# KiCad board SparkFun_GNSS_DAN-F10N_panelized.kicad_pcb (continued)
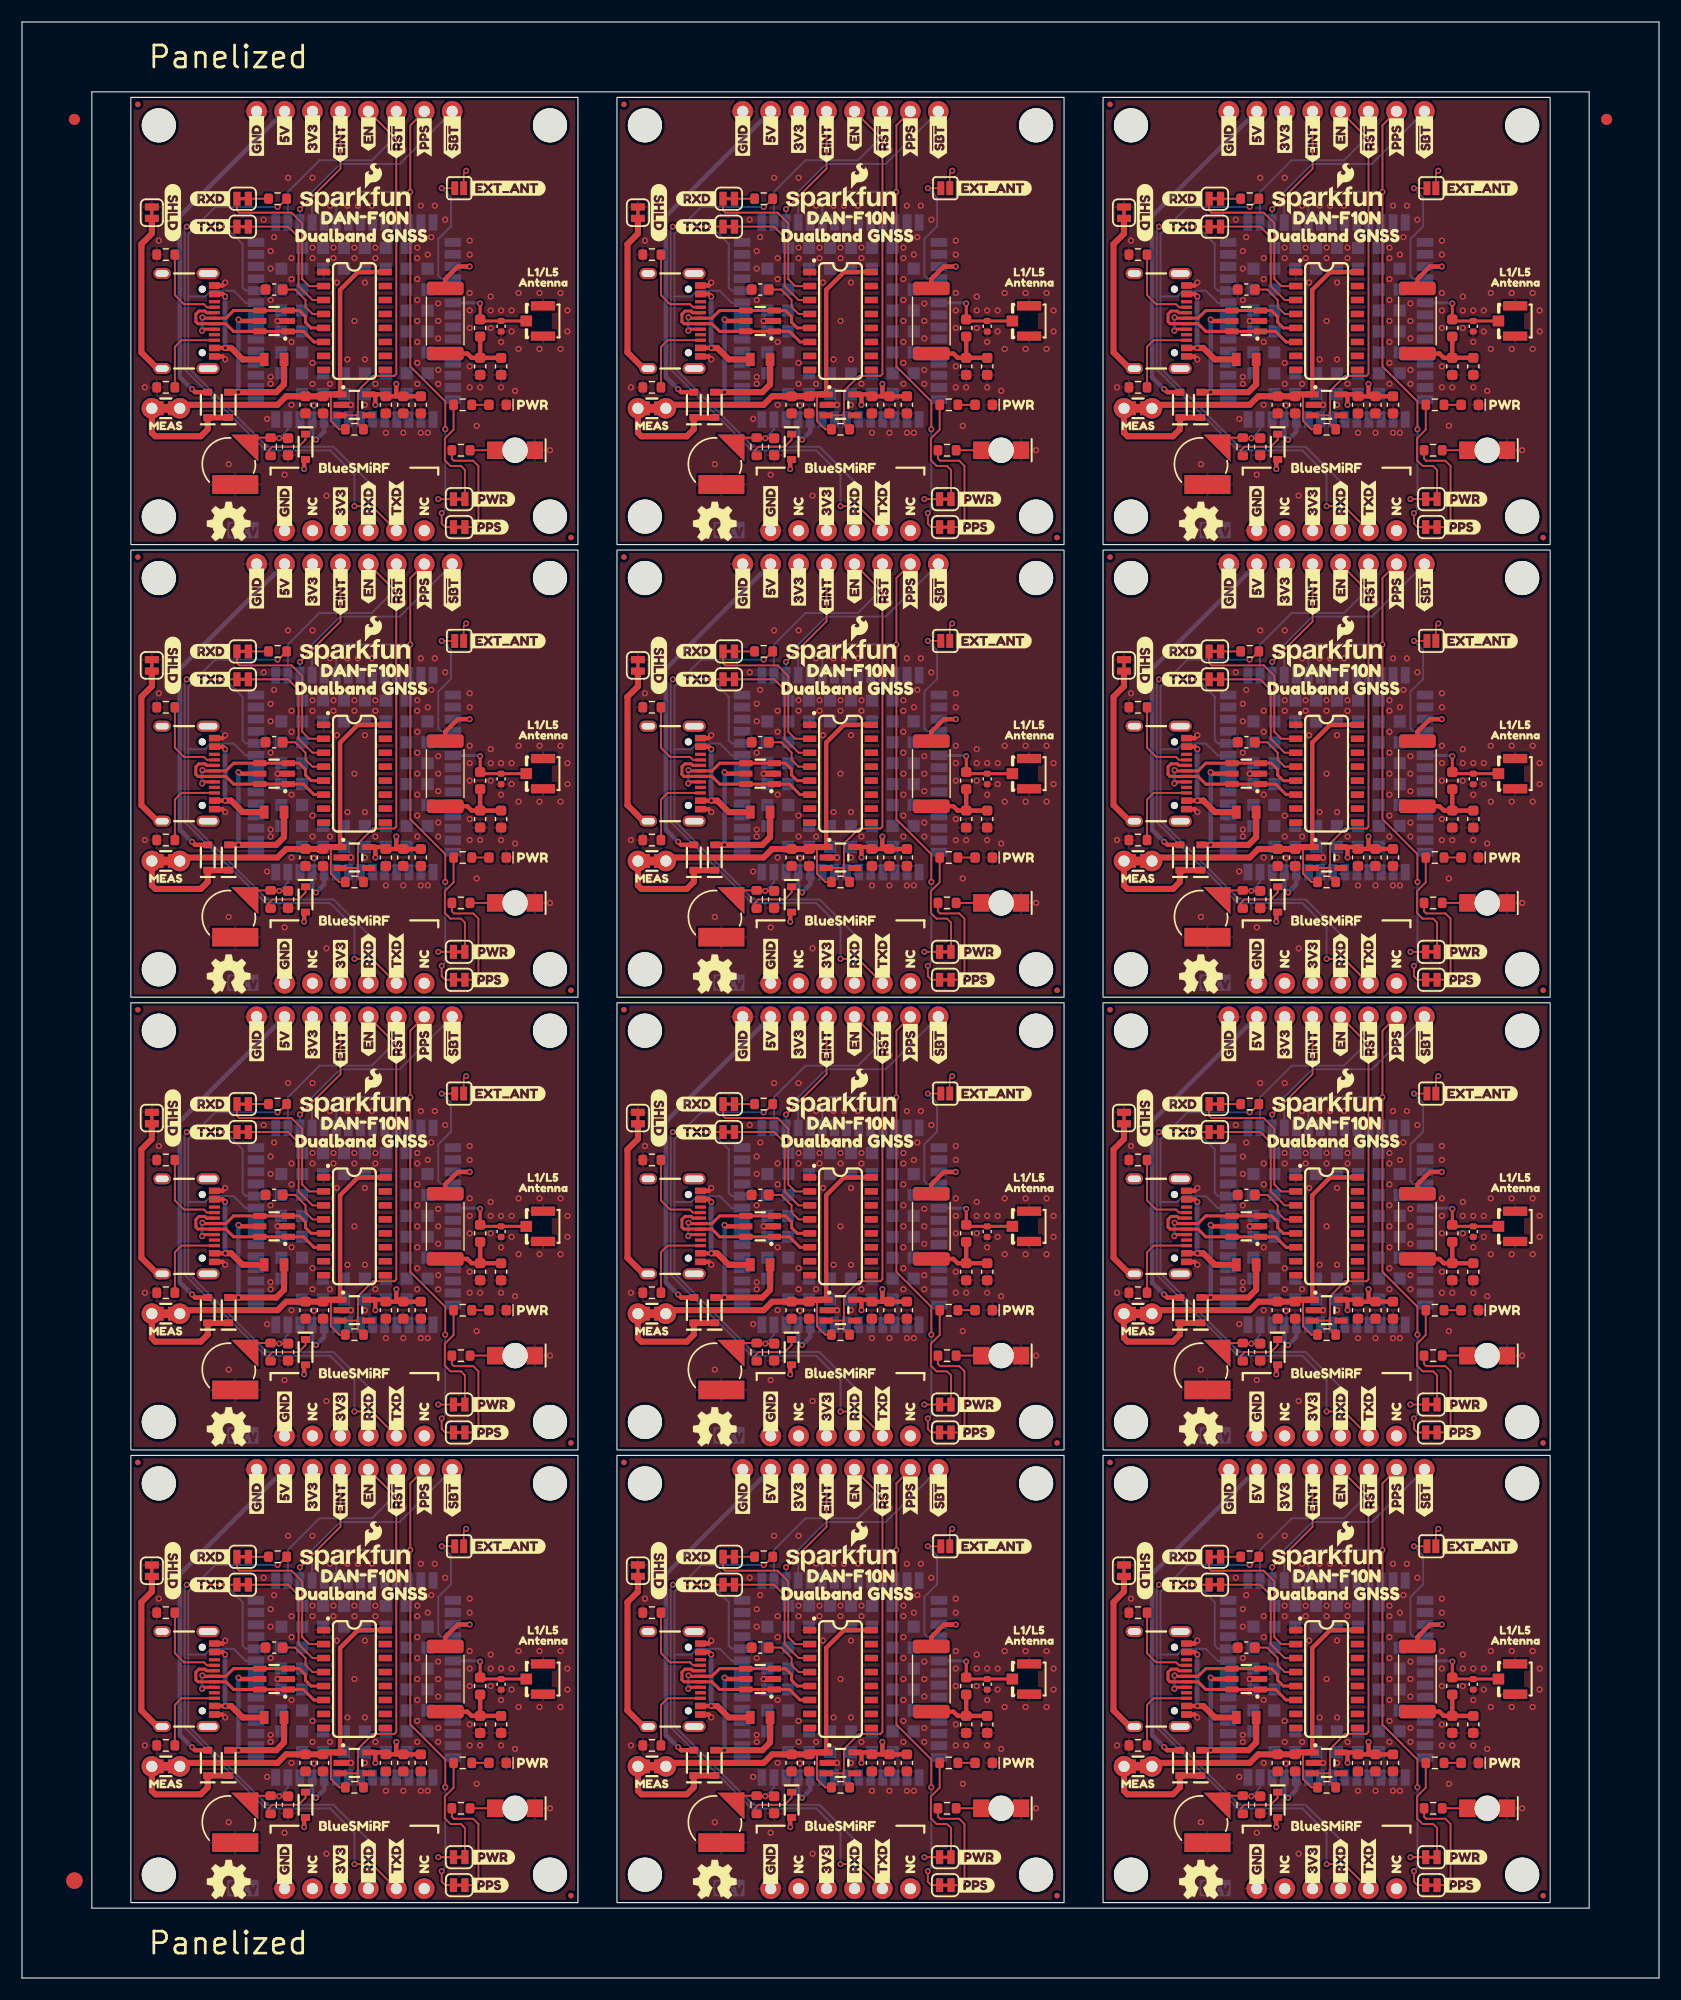
[diagram p0: board, top side]
## Placement (name value [footprint] x y rotation side) (continued)
kibuzzard-67C52734#4  G***  [kibuzzard-67C52734]  21.33 126.28 270 bottom
kibuzzard-67C52734#5  G***  [kibuzzard-67C52734]  65.52 85.14 270 bottom
kibuzzard-67C52734#6  G***  [kibuzzard-67C52734]  65.52 126.28 270 bottom
kibuzzard-67C52734#7  G***  [kibuzzard-67C52734]  109.7 85.14 270 bottom
kibuzzard-67C52734#8  G***  [kibuzzard-67C52734]  109.7 167.42 270 bottom
kibuzzard-67C52734#9  G***  [kibuzzard-67C52734]  65.52 167.42 270 bottom
kibuzzard-67C52734#10  G***  [kibuzzard-67C52734]  109.7 44 270 bottom
kibuzzard-67C52734#11  G***  [kibuzzard-67C52734]  109.7 126.28 270 bottom
kibuzzard-67C52734#12  G***  [kibuzzard-67C52734]  21.33 44 270 bottom
kibuzzard-67C52738  G***  [kibuzzard-67C52738]  23.87 167.89 270 bottom
kibuzzard-67C52738#2  G***  [kibuzzard-67C52738]  112.24 126.75 270 bottom
kibuzzard-67C52738#3  G***  [kibuzzard-67C52738]  112.24 85.61 270 bottom
kibuzzard-67C52738#4  G***  [kibuzzard-67C52738]  23.87 85.61 270 bottom
kibuzzard-67C52738#5  G***  [kibuzzard-67C52738]  68.06 126.75 270 bottom
kibuzzard-67C52738#6  G***  [kibuzzard-67C52738]  112.24 44.47 270 bottom
kibuzzard-67C52738#7  G***  [kibuzzard-67C52738]  68.06 85.61 270 bottom
kibuzzard-67C52738#8  G***  [kibuzzard-67C52738]  68.06 167.89 270 bottom
kibuzzard-67C52738#9  G***  [kibuzzard-67C52738]  23.87 126.75 270 bottom
kibuzzard-67C52738#10  G***  [kibuzzard-67C52738]  68.06 44.47 270 bottom
kibuzzard-67C52738#11  G***  [kibuzzard-67C52738]  112.24 167.89 270 bottom
kibuzzard-67C52738#12  G***  [kibuzzard-67C52738]  23.87 44.47 270 bottom
kibuzzard-67C52789  G***  [kibuzzard-67C52789]  36.57 44 270 bottom
kibuzzard-67C52789#2  G***  [kibuzzard-67C52789]  124.94 85.14 270 bottom
kibuzzard-67C52789#3  G***  [kibuzzard-67C52789]  124.94 44 270 bottom
kibuzzard-67C52789#4  G***  [kibuzzard-67C52789]  36.57 167.42 270 bottom
kibuzzard-67C52789#5  G***  [kibuzzard-67C52789]  36.57 126.28 270 bottom
kibuzzard-67C52789#6  G***  [kibuzzard-67C52789]  80.76 44 270 bottom
kibuzzard-67C52789#7  G***  [kibuzzard-67C52789]  36.57 85.14 270 bottom
kibuzzard-67C52789#8  G***  [kibuzzard-67C52789]  80.76 85.14 270 bottom
kibuzzard-67C52789#9  G***  [kibuzzard-67C52789]  80.76 126.28 270 bottom
kibuzzard-67C52789#10  G***  [kibuzzard-67C52789]  80.76 167.42 270 bottom
kibuzzard-67C52789#11  G***  [kibuzzard-67C52789]  124.94 167.42 270 bottom
kibuzzard-67C52789#12  G***  [kibuzzard-67C52789]  124.94 126.28 270 bottom
kibuzzard-67D33FB6  G***  [kibuzzard-67D33FB6]  26.41 133.76 90 top
kibuzzard-67D33FB6#2  G***  [kibuzzard-67D33FB6]  26.41 51.48 90 top
kibuzzard-67D33FB6#3  G***  [kibuzzard-67D33FB6]  26.41 92.62 90 top
kibuzzard-67D33FB6#4  G***  [kibuzzard-67D33FB6]  70.6 133.76 90 top
kibuzzard-67D33FB6#5  G***  [kibuzzard-67D33FB6]  114.78 51.48 90 top
kibuzzard-67D33FB6#6  G***  [kibuzzard-67D33FB6]  70.6 10.34 90 top
kibuzzard-67D33FB6#7  G***  [kibuzzard-67D33FB6]  114.78 10.34 90 top
kibuzzard-67D33FB6#8  G***  [kibuzzard-67D33FB6]  70.6 92.62 90 top
kibuzzard-67D33FB6#9  G***  [kibuzzard-67D33FB6]  114.78 133.76 90 top
kibuzzard-67D33FB6#10  G***  [kibuzzard-67D33FB6]  70.6 51.48 90 top
kibuzzard-67D33FB6#11  G***  [kibuzzard-67D33FB6]  114.78 92.62 90 top
kibuzzard-67D33FB6#12  G***  [kibuzzard-67D33FB6]  26.41 10.34 90 top
kibuzzard-67D33FB6#13  G***  [kibuzzard-67D33FB6]  36.57 10.34 90 top
kibuzzard-67D33FB6#14  G***  [kibuzzard-67D33FB6]  36.57 133.76 90 top
kibuzzard-67D33FB6#15  G***  [kibuzzard-67D33FB6]  80.76 92.62 90 top
kibuzzard-67D33FB6#16  G***  [kibuzzard-67D33FB6]  124.94 10.34 90 top
kibuzzard-67D33FB6#17  G***  [kibuzzard-67D33FB6]  36.57 92.62 90 top
kibuzzard-67D33FB6#18  G***  [kibuzzard-67D33FB6]  80.76 51.48 90 top
kibuzzard-67D33FB6#19  G***  [kibuzzard-67D33FB6]  36.57 51.48 90 top
kibuzzard-67D33FB6#20  G***  [kibuzzard-67D33FB6]  80.76 10.34 90 top
kibuzzard-67D33FB6#21  G***  [kibuzzard-67D33FB6]  80.76 133.76 90 top
kibuzzard-67D33FB6#22  G***  [kibuzzard-67D33FB6]  124.94 51.48 90 top
kibuzzard-67D33FB6#23  G***  [kibuzzard-67D33FB6]  124.94 92.62 90 top
kibuzzard-67D33FB6#24  G***  [kibuzzard-67D33FB6]  124.94 133.76 90 top
kibuzzard-67D358AB  G***  [kibuzzard-67D358AB]  112.24 10.18 270 bottom
kibuzzard-67D358AB#2  G***  [kibuzzard-67D358AB]  23.87 92.46 270 bottom
kibuzzard-67D358AB#3  G***  [kibuzzard-67D358AB]  23.87 51.32 270 bottom
kibuzzard-67D358AB#4  G***  [kibuzzard-67D358AB]  23.87 133.6 270 bottom
kibuzzard-67D358AB#5  G***  [kibuzzard-67D358AB]  68.06 10.18 270 bottom
kibuzzard-67D358AB#6  G***  [kibuzzard-67D358AB]  68.06 92.46 270 bottom
kibuzzard-67D358AB#7  G***  [kibuzzard-67D358AB]  68.06 51.32 270 bottom
kibuzzard-67D358AB#8  G***  [kibuzzard-67D358AB]  68.06 133.6 270 bottom
kibuzzard-67D358AB#9  G***  [kibuzzard-67D358AB]  112.24 92.46 270 bottom
kibuzzard-67D358AB#10  G***  [kibuzzard-67D358AB]  112.24 133.6 270 bottom
kibuzzard-67D358AB#11  G***  [kibuzzard-67D358AB]  112.24 51.32 270 bottom
kibuzzard-67D358AB#12  G***  [kibuzzard-67D358AB]  23.87 10.18 270 bottom
kibuzzard-67D3586F  G***  [kibuzzard-67D3586F]  34.03 10.03 270 bottom
kibuzzard-67D3586F#2  G***  [kibuzzard-67D3586F]  78.22 10.03 270 bottom
kibuzzard-67D3586F#3  G***  [kibuzzard-67D3586F]  78.22 92.31 270 bottom
kibuzzard-67D3586F#4  G***  [kibuzzard-67D3586F]  34.03 51.17 270 bottom
kibuzzard-67D3586F#5  G***  [kibuzzard-67D3586F]  34.03 92.31 270 bottom
kibuzzard-67D3586F#6  G***  [kibuzzard-67D3586F]  34.03 133.44 270 bottom
kibuzzard-67D3586F#7  G***  [kibuzzard-67D3586F]  78.22 51.17 270 bottom
kibuzzard-67D3586F#8  G***  [kibuzzard-67D3586F]  122.4 51.17 270 bottom
kibuzzard-67D3586F#9  G***  [kibuzzard-67D3586F]  122.4 10.03 270 bottom
kibuzzard-67D3586F#10  G***  [kibuzzard-67D3586F]  78.22 133.44 270 bottom
kibuzzard-67D3586F#11  G***  [kibuzzard-67D3586F]  122.4 92.31 270 bottom
kibuzzard-67D3586F#12  G***  [kibuzzard-67D3586F]  122.4 133.44 270 bottom
kibuzzard-67D3589A  G***  [kibuzzard-67D3589A]  73.14 133.6 270 bottom
kibuzzard-67D3589A#2  G***  [kibuzzard-67D3589A]  117.32 51.32 270 bottom
kibuzzard-67D3589A#3  G***  [kibuzzard-67D3589A]  28.95 51.32 270 bottom
kibuzzard-67D3589A#4  G***  [kibuzzard-67D3589A]  117.32 133.6 270 bottom
kibuzzard-67D3589A#5  G***  [kibuzzard-67D3589A]  28.95 133.6 270 bottom
kibuzzard-67D3589A#6  G***  [kibuzzard-67D3589A]  73.14 10.18 270 bottom
kibuzzard-67D3589A#7  G***  [kibuzzard-67D3589A]  28.95 92.46 270 bottom
kibuzzard-67D3589A#8  G***  [kibuzzard-67D3589A]  73.14 51.32 270 bottom
kibuzzard-67D3589A#9  G***  [kibuzzard-67D3589A]  73.14 92.46 270 bottom
kibuzzard-67D3589A#10  G***  [kibuzzard-67D3589A]  117.32 10.18 270 bottom
kibuzzard-67D3589A#11  G***  [kibuzzard-67D3589A]  117.32 92.46 270 bottom
kibuzzard-67D3589A#12  G***  [kibuzzard-67D3589A]  28.95 10.18 270 bottom
kibuzzard-67D35894  G***  [kibuzzard-67D35894]  31.49 133.44 270 bottom
kibuzzard-67D35894#2  G***  [kibuzzard-67D35894]  75.68 10.03 270 bottom
kibuzzard-67D35894#3  G***  [kibuzzard-67D35894]  31.49 51.17 270 bottom
kibuzzard-67D35894#4  G***  [kibuzzard-67D35894]  31.49 92.31 270 bottom
kibuzzard-67D35894#5  G***  [kibuzzard-67D35894]  119.86 92.31 270 bottom
kibuzzard-67D35894#6  G***  [kibuzzard-67D35894]  119.86 10.03 270 bottom
kibuzzard-67D35894#7  G***  [kibuzzard-67D35894]  119.86 133.44 270 bottom
kibuzzard-67D35894#8  G***  [kibuzzard-67D35894]  75.68 51.17 270 bottom
kibuzzard-67D35894#9  G***  [kibuzzard-67D35894]  75.68 92.31 270 bottom
kibuzzard-67D35894#10  G***  [kibuzzard-67D35894]  75.68 133.44 270 bottom
kibuzzard-67D35894#11  G***  [kibuzzard-67D35894]  119.86 51.17 270 bottom
kibuzzard-67D35894#12  G***  [kibuzzard-67D35894]  31.49 10.03 270 bottom
kibuzzard-67EB0CBA  G***  [kibuzzard-67EB0CBA]  44.19 121.52 0 top
kibuzzard-67EB0CBA#2  G***  [kibuzzard-67EB0CBA]  44.19 39.23 0 top
kibuzzard-67EB0CBA#3  G***  [kibuzzard-67EB0CBA]  44.19 80.38 0 top
kibuzzard-67EB0CBA#4  G***  [kibuzzard-67EB0CBA]  132.56 39.23 0 top
kibuzzard-67EB0CBA#5  G***  [kibuzzard-67EB0CBA]  132.56 121.52 0 top
kibuzzard-67EB0CBA#6  G***  [kibuzzard-67EB0CBA]  88.38 39.23 0 top
kibuzzard-67EB0CBA#7  G***  [kibuzzard-67EB0CBA]  44.19 162.66 0 top
kibuzzard-67EB0CBA#8  G***  [kibuzzard-67EB0CBA]  88.38 80.38 0 top
kibuzzard-67EB0CBA#9  G***  [kibuzzard-67EB0CBA]  88.38 162.66 0 top
kibuzzard-67EB0CBA#10  G***  [kibuzzard-67EB0CBA]  88.38 121.52 0 top
kibuzzard-67EB0CBA#11  G***  [kibuzzard-67EB0CBA]  132.56 80.38 0 top
kibuzzard-67EB0CBA#12  G***  [kibuzzard-67EB0CBA]  132.56 162.66 0 top
kibuzzard-6501FDDA  G***  [kibuzzard-6501FDDA]  30.22 13.84 0 top
kibuzzard-6501FDDA#2  G***  [kibuzzard-6501FDDA]  30.22 54.98 0 top
kibuzzard-6501FDDA#3  G***  [kibuzzard-6501FDDA]  30.22 137.25 0 top
kibuzzard-6501FDDA#4  G***  [kibuzzard-6501FDDA]  30.22 96.12 0 top
kibuzzard-6501FDDA#5  G***  [kibuzzard-6501FDDA]  74.41 13.84 0 top
kibuzzard-6501FDDA#6  G***  [kibuzzard-6501FDDA]  74.41 137.25 0 top
kibuzzard-6501FDDA#7  G***  [kibuzzard-6501FDDA]  118.59 137.25 0 top
kibuzzard-6501FDDA#8  G***  [kibuzzard-6501FDDA]  74.41 96.12 0 top
kibuzzard-6501FDDA#9  G***  [kibuzzard-6501FDDA]  118.59 54.98 0 top
kibuzzard-6501FDDA#10  G***  [kibuzzard-6501FDDA]  74.41 54.98 0 top
kibuzzard-6501FDDA#11  G***  [kibuzzard-6501FDDA]  118.59 13.84 0 top
kibuzzard-6501FDDA#12  G***  [kibuzzard-6501FDDA]  118.59 96.12 0 top
L1  33nH  [C_0603_1608Metric]  41.65 26.53 90 top
L1#2  33nH  [C_0603_1608Metric]  41.65 67.68 90 top
L1#3  33nH  [C_0603_1608Metric]  85.84 67.68 90 top
L1#4  33nH  [C_0603_1608Metric]  41.65 108.81 90 top
L1#5  33nH  [C_0603_1608Metric]  41.65 149.96 90 top
L1#6  33nH  [C_0603_1608Metric]  85.84 26.53 90 top
L1#7  33nH  [C_0603_1608Metric]  130.02 26.53 90 top
L1#8  33nH  [C_0603_1608Metric]  85.84 149.96 90 top
L1#9  33nH  [C_0603_1608Metric]  130.02 108.81 90 top
L1#10  33nH  [C_0603_1608Metric]  130.02 149.96 90 top
L1#11  33nH  [C_0603_1608Metric]  85.84 108.81 90 top
L1#12  33nH  [C_0603_1608Metric]  130.02 67.68 90 top
NOREF  -  [Fiducial_1.5mm_Mask3mm]  4.76 8.85 0 top
NOREF#2  -  [Fiducial_1mm_Mask3mm]  144.05 168.91 0 top
NOREF#3  -  [Fiducial_1mm_Mask3mm]  4.76 168.91 0 top
NOREF#4  -  [Fiducial_1.5mm_Mask3mm]  4.76 8.85 180 bottom
NOREF#5  -  [Fiducial_1mm_Mask3mm]  4.76 168.91 180 bottom
NOREF#6  -  [Fiducial_1mm_Mask3mm]  144.05 168.91 180 bottom
R1  5.1k  [R_0603_1608Metric]  13.07 21.14 0 top
R1#2  5.1k  [R_0603_1608Metric]  13.07 62.28 0 top
R1#3  5.1k  [R_0603_1608Metric]  13.07 144.56 0 top
R1#4  5.1k  [R_0603_1608Metric]  57.26 103.42 0 top
R1#5  5.1k  [R_0603_1608Metric]  13.07 103.42 0 top
R1#6  5.1k  [R_0603_1608Metric]  57.26 21.14 0 top
R1#7  5.1k  [R_0603_1608Metric]  57.26 62.28 0 top
R1#8  5.1k  [R_0603_1608Metric]  57.26 144.56 0 top
R1#9  5.1k  [R_0603_1608Metric]  101.45 21.14 0 top
R1#10  5.1k  [R_0603_1608Metric]  101.45 62.28 0 top
R1#11  5.1k  [R_0603_1608Metric]  101.45 103.42 0 top
R1#12  5.1k  [R_0603_1608Metric]  101.45 144.56 0 top
R2  5.1k  [R_0603_1608Metric]  13.07 74.34 0 top
R2#2  5.1k  [R_0603_1608Metric]  57.26 115.48 0 top
R2#3  5.1k  [R_0603_1608Metric]  101.45 115.48 0 top
R2#4  5.1k  [R_0603_1608Metric]  13.07 115.48 0 top
R2#5  5.1k  [R_0603_1608Metric]  57.26 156.62 0 top
R2#6  5.1k  [R_0603_1608Metric]  101.45 74.34 0 top
R2#7  5.1k  [R_0603_1608Metric]  57.26 74.34 0 top
R2#8  5.1k  [R_0603_1608Metric]  57.26 33.2 0 top
R2#9  5.1k  [R_0603_1608Metric]  13.07 156.62 0 top
R2#10  5.1k  [R_0603_1608Metric]  101.45 33.2 0 top
R2#11  5.1k  [R_0603_1608Metric]  101.45 156.62 0 top
R2#12  5.1k  [R_0603_1608Metric]  13.07 33.2 0 top
R3  1k  [R_0603_1608Metric]  23.23 38.28 180 top
R3#2  1k  [R_0603_1608Metric]  23.23 161.7 180 top
R3#3  1k  [R_0603_1608Metric]  111.61 120.56 180 top
R3#4  1k  [R_0603_1608Metric]  111.61 79.42 180 top
R3#5  1k  [R_0603_1608Metric]  111.61 38.28 180 top
R3#6  1k  [R_0603_1608Metric]  23.23 79.42 180 top
R3#7  1k  [R_0603_1608Metric]  23.23 120.56 180 top
R3#8  1k  [R_0603_1608Metric]  67.42 79.42 180 top
R3#9  1k  [R_0603_1608Metric]  67.42 161.7 180 top
R3#10  1k  [R_0603_1608Metric]  67.42 120.56 180 top
R3#11  1k  [R_0603_1608Metric]  67.42 38.28 180 top
R3#12  1k  [R_0603_1608Metric]  111.61 161.7 180 top
R4  4.7k  [R_0603_1608Metric]  84.25 60.69 180 top
R4#2  4.7k  [R_0603_1608Metric]  84.25 142.97 180 top
R4#3  4.7k  [R_0603_1608Metric]  40.06 142.97 180 top
R4#4  4.7k  [R_0603_1608Metric]  84.25 19.55 180 top
R4#5  4.7k  [R_0603_1608Metric]  40.06 60.69 180 top
R4#6  4.7k  [R_0603_1608Metric]  40.06 101.83 180 top
R4#7  4.7k  [R_0603_1608Metric]  84.25 101.83 180 top
R4#8  4.7k  [R_0603_1608Metric]  128.44 19.55 180 top
R4#9  4.7k  [R_0603_1608Metric]  128.44 101.83 180 top
R4#10  4.7k  [R_0603_1608Metric]  128.44 60.69 180 top
R4#11  4.7k  [R_0603_1608Metric]  128.44 142.97 180 top
R4#12  4.7k  [R_0603_1608Metric]  40.06 19.55 180 top
R5  330  [R_0603_1608Metric]  39.9 97.7 180 top
R5#2  330  [R_0603_1608Metric]  39.9 138.84 180 top
R5#3  330  [R_0603_1608Metric]  84.09 15.42 180 top
R5#4  330  [R_0603_1608Metric]  39.9 56.56 180 top
R5#5  330  [R_0603_1608Metric]  84.09 56.56 180 top
R5#6  330  [R_0603_1608Metric]  84.09 97.7 180 top
R5#7  330  [R_0603_1608Metric]  128.28 15.42 180 top
R5#8  330  [R_0603_1608Metric]  84.09 138.84 180 top
R5#9  330  [R_0603_1608Metric]  128.28 138.84 180 top
R5#10  330  [R_0603_1608Metric]  128.28 97.7 180 top
R5#11  330  [R_0603_1608Metric]  128.28 56.56 180 top
R5#12  330  [R_0603_1608Metric]  39.9 15.42 180 top
R6  13.3  [R_2512_6332Metric]  126.85 27.17 270 top
R6#2  13.3  [R_2512_6332Metric]  38.47 27.17 270 top
R6#3  13.3  [R_2512_6332Metric]  82.66 150.59 270 top
R6#4  13.3  [R_2512_6332Metric]  126.85 68.31 270 top
R6#5  13.3  [R_2512_6332Metric]  82.66 109.45 270 top
R6#6  13.3  [R_2512_6332Metric]  38.47 150.59 270 top
R6#7  13.3  [R_2512_6332Metric]  38.47 68.31 270 top
R6#8  13.3  [R_2512_6332Metric]  38.47 109.45 270 top
R6#9  13.3  [R_2512_6332Metric]  82.66 27.17 270 top
R6#10  13.3  [R_2512_6332Metric]  82.66 68.31 270 top
R6#11  13.3  [R_2512_6332Metric]  126.85 109.45 270 top
R6#12  13.3  [R_2512_6332Metric]  126.85 150.59 270 top
R7  1k  [R_0603_1608Metric]  22.6 15.74 270 top
R7#2  1k  [R_0603_1608Metric]  66.79 98.02 270 top
R7#3  1k  [R_0603_1608Metric]  110.97 15.74 270 top
R7#4  1k  [R_0603_1608Metric]  66.79 139.16 270 top
R7#5  1k  [R_0603_1608Metric]  66.79 56.88 270 top
R7#6  1k  [R_0603_1608Metric]  110.97 56.88 270 top
R7#7  1k  [R_0603_1608Metric]  110.97 98.02 270 top
R7#8  1k  [R_0603_1608Metric]  110.97 139.16 270 top
R7#9  1k  [R_0603_1608Metric]  22.6 98.02 270 top
R7#10  1k  [R_0603_1608Metric]  22.6 139.16 270 top
R7#11  1k  [R_0603_1608Metric]  22.6 56.88 270 top
R7#12  1k  [R_0603_1608Metric]  66.79 15.74 270 top
R12  100k  [R_0603_1608Metric]  30.22 99.61 180 top
R12#2  100k  [R_0603_1608Metric]  74.41 58.47 180 top
R12#3  100k  [R_0603_1608Metric]  74.41 140.75 180 top
R12#4  100k  [R_0603_1608Metric]  30.22 58.47 180 top
R12#5  100k  [R_0603_1608Metric]  30.22 140.75 180 top
R12#6  100k  [R_0603_1608Metric]  74.41 17.33 180 top
R12#7  100k  [R_0603_1608Metric]  74.41 99.61 180 top
R12#8  100k  [R_0603_1608Metric]  118.59 17.33 180 top
R12#9  100k  [R_0603_1608Metric]  118.59 140.75 180 top
R12#10  100k  [R_0603_1608Metric]  118.59 58.47 180 top
R12#11  100k  [R_0603_1608Metric]  118.59 99.61 180 top
R12#12  100k  [R_0603_1608Metric]  30.22 17.33 180 top
Ref**  Val**  [OSHW_Logo_4mm]  62.98 8.76 0 top
Ref**#2  Val**  [OSHW_Logo_4mm]  18.79 8.76 0 top
Ref**#3  Val**  [OSHW_Logo_4mm]  18.79 132.18 0 top
Ref**#4  Val**  [OSHW_Logo_4mm]  62.98 49.89 0 top
Ref**#5  Val**  [OSHW_Logo_4mm]  18.79 49.89 0 top
Ref**#6  Val**  [OSHW_Logo_4mm]  18.79 91.03 0 top
Ref**#7  Val**  [OSHW_Logo_4mm]  107.16 8.76 0 top
Ref**#8  Val**  [OSHW_Logo_4mm]  107.16 49.89 0 top
Ref**#9  Val**  [OSHW_Logo_4mm]  62.98 91.03 0 top
Ref**#10  Val**  [OSHW_Logo_4mm]  107.16 91.03 0 top
Ref**#11  Val**  [OSHW_Logo_4mm]  62.98 132.18 0 top
Ref**#12  Val**  [OSHW_Logo_4mm]  107.16 132.18 0 top
ST1  -  [Standoff]  48 44.95 0 top
ST1#2  -  [Standoff]  48 86.09 0 top
ST1#3  -  [Standoff]  136.37 127.23 0 top
ST1#4  -  [Standoff]  48 127.23 0 top
ST1#5  -  [Standoff]  92.19 44.95 0 top
ST1#6  -  [Standoff]  92.19 127.23 0 top
ST1#7  -  [Standoff]  92.19 168.37 0 top
ST1#8  -  [Standoff]  136.37 44.95 0 top
ST1#9  -  [Standoff]  48 168.37 0 top
ST1#10  -  [Standoff]  136.37 86.09 0 top
ST1#11  -  [Standoff]  92.19 86.09 0 top
ST1#12  -  [Standoff]  136.37 168.37 0 top
ST2  -  [Standoff]  48 91.67 0 top
ST2#2  -  [Standoff]  92.19 9.39 0 top
ST2#3  -  [Standoff]  48 50.53 0 top
ST2#4  -  [Standoff]  48 132.81 0 top
ST2#5  -  [Standoff]  136.37 9.39 0 top
ST2#6  -  [Standoff]  92.19 50.53 0 top
ST2#7  -  [Standoff]  92.19 91.67 0 top
ST2#8  -  [Standoff]  136.37 50.53 0 top
ST2#9  -  [Standoff]  136.37 91.67 0 top
ST2#10  -  [Standoff]  136.37 132.81 0 top
ST2#11  -  [Standoff]  92.19 132.81 0 top
ST2#12  -  [Standoff]  48 9.39 0 top
ST3  -  [Standoff]  12.44 86.09 0 top
ST3#2  -  [Standoff]  100.81 127.23 0 top
ST3#3  -  [Standoff]  12.44 44.95 0 top
ST3#4  -  [Standoff]  12.44 168.37 0 top
ST3#5  -  [Standoff]  56.63 127.23 0 top
ST3#6  -  [Standoff]  100.81 44.95 0 top
ST3#7  -  [Standoff]  100.81 86.09 0 top
ST3#8  -  [Standoff]  12.44 127.23 0 top
ST3#9  -  [Standoff]  56.63 44.95 0 top
ST3#10  -  [Standoff]  56.63 86.09 0 top
ST3#11  -  [Standoff]  56.63 168.37 0 top
ST3#12  -  [Standoff]  100.81 168.37 0 top
ST4  -  [Standoff]  56.63 132.81 0 top
ST4#2  -  [Standoff]  100.81 50.53 0 top
ST4#3  -  [Standoff]  56.63 9.39 0 top
ST4#4  -  [Standoff]  12.44 50.53 0 top
ST4#5  -  [Standoff]  56.63 50.53 0 top
ST4#6  -  [Standoff]  12.44 132.81 0 top
ST4#7  -  [Standoff]  12.44 91.67 0 top
ST4#8  -  [Standoff]  56.63 91.67 0 top
ST4#9  -  [Standoff]  100.81 9.39 0 top
ST4#10  -  [Standoff]  100.81 91.67 0 top
ST4#11  -  [Standoff]  100.81 132.81 0 top
ST4#12  -  [Standoff]  12.44 9.39 0 top
U1  DT1042-04SO  [SOT23-6]  22.92 27.17 180 top
U1#2  DT1042-04SO  [SOT23-6]  67.1 27.17 180 top
U1#3  DT1042-04SO  [SOT23-6]  22.92 109.45 180 top
U1#4  DT1042-04SO  [SOT23-6]  22.92 68.31 180 top
U1#5  DT1042-04SO  [SOT23-6]  22.92 150.59 180 top
U1#6  DT1042-04SO  [SOT23-6]  67.1 68.31 180 top
U1#7  DT1042-04SO  [SOT23-6]  67.1 109.45 180 top
U1#8  DT1042-04SO  [SOT23-6]  67.1 150.59 180 top
U1#9  DT1042-04SO  [SOT23-6]  111.29 27.17 180 top
U1#10  DT1042-04SO  [SOT23-6]  111.29 68.31 180 top
U1#11  DT1042-04SO  [SOT23-6]  111.29 150.59 180 top
U1#12  DT1042-04SO  [SOT23-6]  111.29 109.45 180 top
U3  RT9080-3.3  [SOT23-5]  30.22 19.55 0 top
U3#2  RT9080-3.3  [SOT23-5]  74.41 60.69 0 top
U3#3  RT9080-3.3  [SOT23-5]  118.59 60.69 0 top
U3#4  RT9080-3.3  [SOT23-5]  118.59 19.55 0 top
U3#5  RT9080-3.3  [SOT23-5]  74.41 142.97 0 top
U3#6  RT9080-3.3  [SOT23-5]  74.41 19.55 0 top
U3#7  RT9080-3.3  [SOT23-5]  30.22 101.83 0 top
U3#8  RT9080-3.3  [SOT23-5]  30.22 142.97 0 top
U3#9  RT9080-3.3  [SOT23-5]  30.22 60.69 0 top
U3#10  RT9080-3.3  [SOT23-5]  74.41 101.83 0 top
U3#11  RT9080-3.3  [SOT23-5]  118.59 142.97 0 top
U3#12  RT9080-3.3  [SOT23-5]  118.59 101.83 0 top
U4  CH340C  [SO-16]  30.22 27.17 0 top
U4#2  CH340C  [SO-16]  30.22 68.31 0 top
U4#3  CH340C  [SO-16]  74.41 150.59 0 top
U4#4  CH340C  [SO-16]  30.22 109.45 0 top
U4#5  CH340C  [SO-16]  30.22 150.59 0 top
U4#6  CH340C  [SO-16]  74.41 27.17 0 top
U4#7  CH340C  [SO-16]  74.41 109.45 0 top
U4#8  CH340C  [SO-16]  74.41 68.31 0 top
U4#9  CH340C  [SO-16]  118.59 68.31 0 top
U4#10  CH340C  [SO-16]  118.59 109.45 0 top
U4#11  CH340C  [SO-16]  118.59 27.17 0 top
U4#12  CH340C  [SO-16]  118.59 150.59 0 top
U6  -  [DAN-F10N]  30.22 27.17 0 bottom
U6#2  -  [DAN-F10N]  30.22 109.45 0 bottom
U6#3  -  [DAN-F10N]  74.41 27.17 0 bottom
U6#4  -  [DAN-F10N]  30.22 150.59 0 bottom
U6#5  -  [DAN-F10N]  30.22 68.31 0 bottom
U6#6  -  [DAN-F10N]  118.59 109.45 0 bottom
U6#7  -  [DAN-F10N]  74.41 68.31 0 bottom
U6#8  -  [DAN-F10N]  74.41 150.59 0 bottom
U6#9  -  [DAN-F10N]  118.59 27.17 0 bottom
U6#10  -  [DAN-F10N]  118.59 68.31 0 bottom
U6#11  -  [DAN-F10N]  118.59 150.59 0 bottom
U6#12  -  [DAN-F10N]  74.41 109.45 0 bottom

## Library data of the parts
BT1 BT1#2-BT1#12 = -: Description: Reflowable coin cell battery; PROD_ID: BATT-14267
C1 C10 C14 C16 = -: Datasheet: https://cdn.sparkfun.com/assets/8/a/4/a/5/Kemet_Capacitor_Datasheet.pdf; Description: Unpolarized capacitor; PROD_ID: CAP-00810; Voltage: 25V; Tolerance: 20%; ki_fp_filters: C_*
C1#2-C1#12 C10#2-C10#12 C14#2-C14#12 C16#2-C16#12 = -: Datasheet: https://cdn.sparkfun.com/assets/8/a/4/a/5/Kemet_Capacitor_Datasheet.pdf; Description: Unpolarized capacitor; PROD_ID: CAP-00810; Voltage: 25V; Tolerance: 20%
C2 C2#2-C2#11 = -: Datasheet: https://cdn.sparkfun.com/assets/8/a/4/a/5/Kemet_Capacitor_Datasheet.pdf; Description: Unpolarized capacitor; PROD_ID: CAP-08913; Voltage: 50V; Tolerance: 5%
C2#12 = -: Datasheet: https://cdn.sparkfun.com/assets/8/a/4/a/5/Kemet_Capacitor_Datasheet.pdf; Description: Unpolarized capacitor; PROD_ID: CAP-08913; Voltage: 50V; Tolerance: 5%; ki_fp_filters: C_*
C7 C9#12 = -: Datasheet: https://cdn.sparkfun.com/assets/8/a/4/a/5/Kemet_Capacitor_Datasheet.pdf; Description: Unpolarized capacitor; PROD_ID: CAP-13930; Voltage: 16V; Tolerance: 10%; ki_fp_filters: C_*
C7#2-C7#12 C9 C9#2-C9#11 = -: Datasheet: https://cdn.sparkfun.com/assets/8/a/4/a/5/Kemet_Capacitor_Datasheet.pdf; Description: Unpolarized capacitor; PROD_ID: CAP-13930; Voltage: 16V; Tolerance: 10%
C15 = -: Datasheet: https://cdn.sparkfun.com/assets/8/a/4/a/5/Kemet_Capacitor_Datasheet.pdf; Description: Unpolarized capacitor; PROD_ID: CAP-11015; Voltage: 6.3V; Tolerance: 20%; ki_fp_filters: C_*
C15#2-C15#12 = -: Datasheet: https://cdn.sparkfun.com/assets/8/a/4/a/5/Kemet_Capacitor_Datasheet.pdf; Description: Unpolarized capacitor; PROD_ID: CAP-11015; Voltage: 6.3V; Tolerance: 20%
C17 = -: Datasheet: https://cdn.sparkfun.com/assets/8/a/4/a/5/Kemet_Capacitor_Datasheet.pdf; Description: Unpolarized capacitor; PROD_ID: CAP-10142; Voltage: 50V; Tolerance: 5%; ki_fp_filters: C_*
C17#2-C17#12 = -: Datasheet: https://cdn.sparkfun.com/assets/8/a/4/a/5/Kemet_Capacitor_Datasheet.pdf; Description: Unpolarized capacitor; PROD_ID: CAP-10142; Voltage: 50V; Tolerance: 5%
D1 D1#2-D1#11 = -: Datasheet: https://docs.broadcom.com/docs/AV02-0551EN; Description: Light emitting diode; PROD_ID: DIO-17976
D1#12 = -: Datasheet: https://docs.broadcom.com/docs/AV02-0551EN; Description: Light emitting diode; PROD_ID: DIO-17976; ki_fp_filters: LED* LED_SMD:* LED_THT:*
D2 D3 = -: Datasheet: https://www.infineon.com/dgdl/bat60aseries.pdf?folderId=db3a304313d846880113def5812204a1&fileId=db3a304313d846880113def70c9304a9; Description: Schottky diode; PROD_ID: DIO-14072; IMax: 3A; VDrop: 0.28V; VMax: 10V; ki_fp_filters: TO-???* *_Diode_* *SingleDiode* D_*
D2#2-D2#12 D3#2-D3#12 = -: Datasheet: https://www.infineon.com/dgdl/bat60aseries.pdf?folderId=db3a304313d846880113def5812204a1&fileId=db3a304313d846880113def70c9304a9; Description: Schottky diode; PROD_ID: DIO-14072; IMax: 3A; VDrop: 0.28V; VMax: 10V
D4 = -: Datasheet: https://www.littelfuse.com/~/media/electronics/product_specifications/polymer_esd_suppressors/littelfuse_polymer_esd_suppressor_pesd0402_140_product_specification.pdf.pdf; Description: Bidirectional transient-voltage-suppression diode; PROD_ID: DIO-15359; Rating: 14VWM/40VC; ki_fp_filters: TO-???* *_Diode_* *SingleDiode* D_*
D4#2-D4#12 = -: Datasheet: https://www.littelfuse.com/~/media/electronics/product_specifications/polymer_esd_suppressors/littelfuse_polymer_esd_suppressor_pesd0402_140_product_specification.pdf.pdf; Description: Bidirectional transient-voltage-suppression diode; PROD_ID: DIO-15359; Rating: 14VWM/40VC
D5 D5#2-D5#11 = -: Datasheet: https://assets.nexperia.com/documents/data-sheet/PMEG4005EJ.pdf; Description: Schottky diode; PROD_ID: DIO-10955; IMax: 0.5A; VDrop: 0.42V; VMax: 40V
D5#12 = -: Datasheet: https://assets.nexperia.com/documents/data-sheet/PMEG4005EJ.pdf; Description: Schottky diode; PROD_ID: DIO-10955; IMax: 0.5A; VDrop: 0.42V; VMax: 40V; ki_fp_filters: TO-???* *_Diode_* *SingleDiode* D_*
D6 = -: Datasheet: https://optoelectronics.liteon.com/upload/download/DS22-2000-256/LTST-C230KGKT.pdf; Description: Light emitting diode, bottom mount; PROD_ID: DIO-11076; ki_fp_filters: LED* LED_SMD:* LED_THT:*
D6#2-D6#12 = -: Datasheet: https://optoelectronics.liteon.com/upload/download/DS22-2000-256/LTST-C230KGKT.pdf; Description: Light emitting diode, bottom mount; PROD_ID: DIO-11076
F1 = -: Datasheet: https://www.belfuse.com/resources/datasheets/circuitprotection/ds-cp-0zck-series.pdf; Description: Resettable fuse; PROD_ID: RES-13945; ki_fp_filters: *polyfuse* *PTC*
F1#2-F1#12 = -: Datasheet: https://www.belfuse.com/resources/datasheets/circuitprotection/ds-cp-0zck-series.pdf; Description: Resettable fuse; PROD_ID: RES-13945
FID1 FID1#2-FID1#11 FID2 FID2#2-FID2#11 FID3#2-FID3#12 FID4#2-FID4#12 = -: Description: Fiducial Marker
FID1#12 FID2#12 FID3 FID4 = -: Description: Fiducial Marker; ki_fp_filters: Fiducial*
J1 J1#2-J1#11 = -: Datasheet: https://www.usb.org/sites/default/files/documents/usb_type-c.zip; Description: USB 2.0-only Type-C Receptacle connector; PROD_ID: CONN-14122
J1#12 = -: Datasheet: https://www.usb.org/sites/default/files/documents/usb_type-c.zip; Description: USB 2.0-only Type-C Receptacle connector; PROD_ID: CONN-14122; ki_fp_filters: USB*C*Receptacle*
J2 J5#12 = -: Description: Basic 0.1" PTH; ki_fp_filters: Connector*:*_1x??_*
J2#2-J2#12 J5 J5#2-J5#11 = -: Description: Basic 0.1" PTH
J4 = -: Datasheet: https://mm.digikey.com/Volume0/opasdata/d220001/medias/docus/2607/UFL%20Series.pdf; Description: SMA PCB Edge Mount connector SMD; PROD_ID: CONN-09193; ki_fp_filters: *BNC* *SMA* *SMB* *SMC* *Cinch* *LEMO*
J4#2-J4#12 = -: Datasheet: https://mm.digikey.com/Volume0/opasdata/d220001/medias/docus/2607/UFL%20Series.pdf; Description: SMA PCB Edge Mount connector SMD; PROD_ID: CONN-09193
JP1 = -: Description: Solder Jumper, 2-pole, open; ki_fp_filters: SolderJumper*Open*
JP1#2-JP1#12 = -: Description: Solder Jumper, 2-pole, open
JP2 JP3 JP7#12 JP9-JP11 = -: Description: Solder Jumper, 2-pole, closed/bridged; ki_fp_filters: SolderJumper*Bridged*
JP2#2-JP2#12 JP3#2-JP3#12 JP7 JP7#2-JP7#11 JP9#2-JP9#12 JP10#2-JP10#12 JP11#2-JP11#12 = -: Description: Solder Jumper, 2-pole, closed/bridged
L1 = -: Datasheet: https://www.bourns.com/docs/Product-Datasheets/CI160808.pdf; Description: Inductor with ferrite core 30 ohm; PROD_ID: NDUC-13805; Frequency: 100MHz; ki_fp_filters: Choke_* *Coil* Inductor_* L_*
L1#2-L1#12 = -: Datasheet: https://www.bourns.com/docs/Product-Datasheets/CI160808.pdf; Description: Inductor with ferrite core 30 ohm; PROD_ID: NDUC-13805; Frequency: 100MHz
R1 R2#12 = -: Datasheet: https://www.vishay.com/docs/20035/dcrcwe3.pdf; Description: Resistor; PROD_ID: RES-12083; ki_fp_filters: R_*
R1#2-R1#12 R2 R2#2-R2#11 = -: Datasheet: https://www.vishay.com/docs/20035/dcrcwe3.pdf; Description: Resistor; PROD_ID: RES-12083